# KiCad board Batch 1.kicad_pcb (continued)
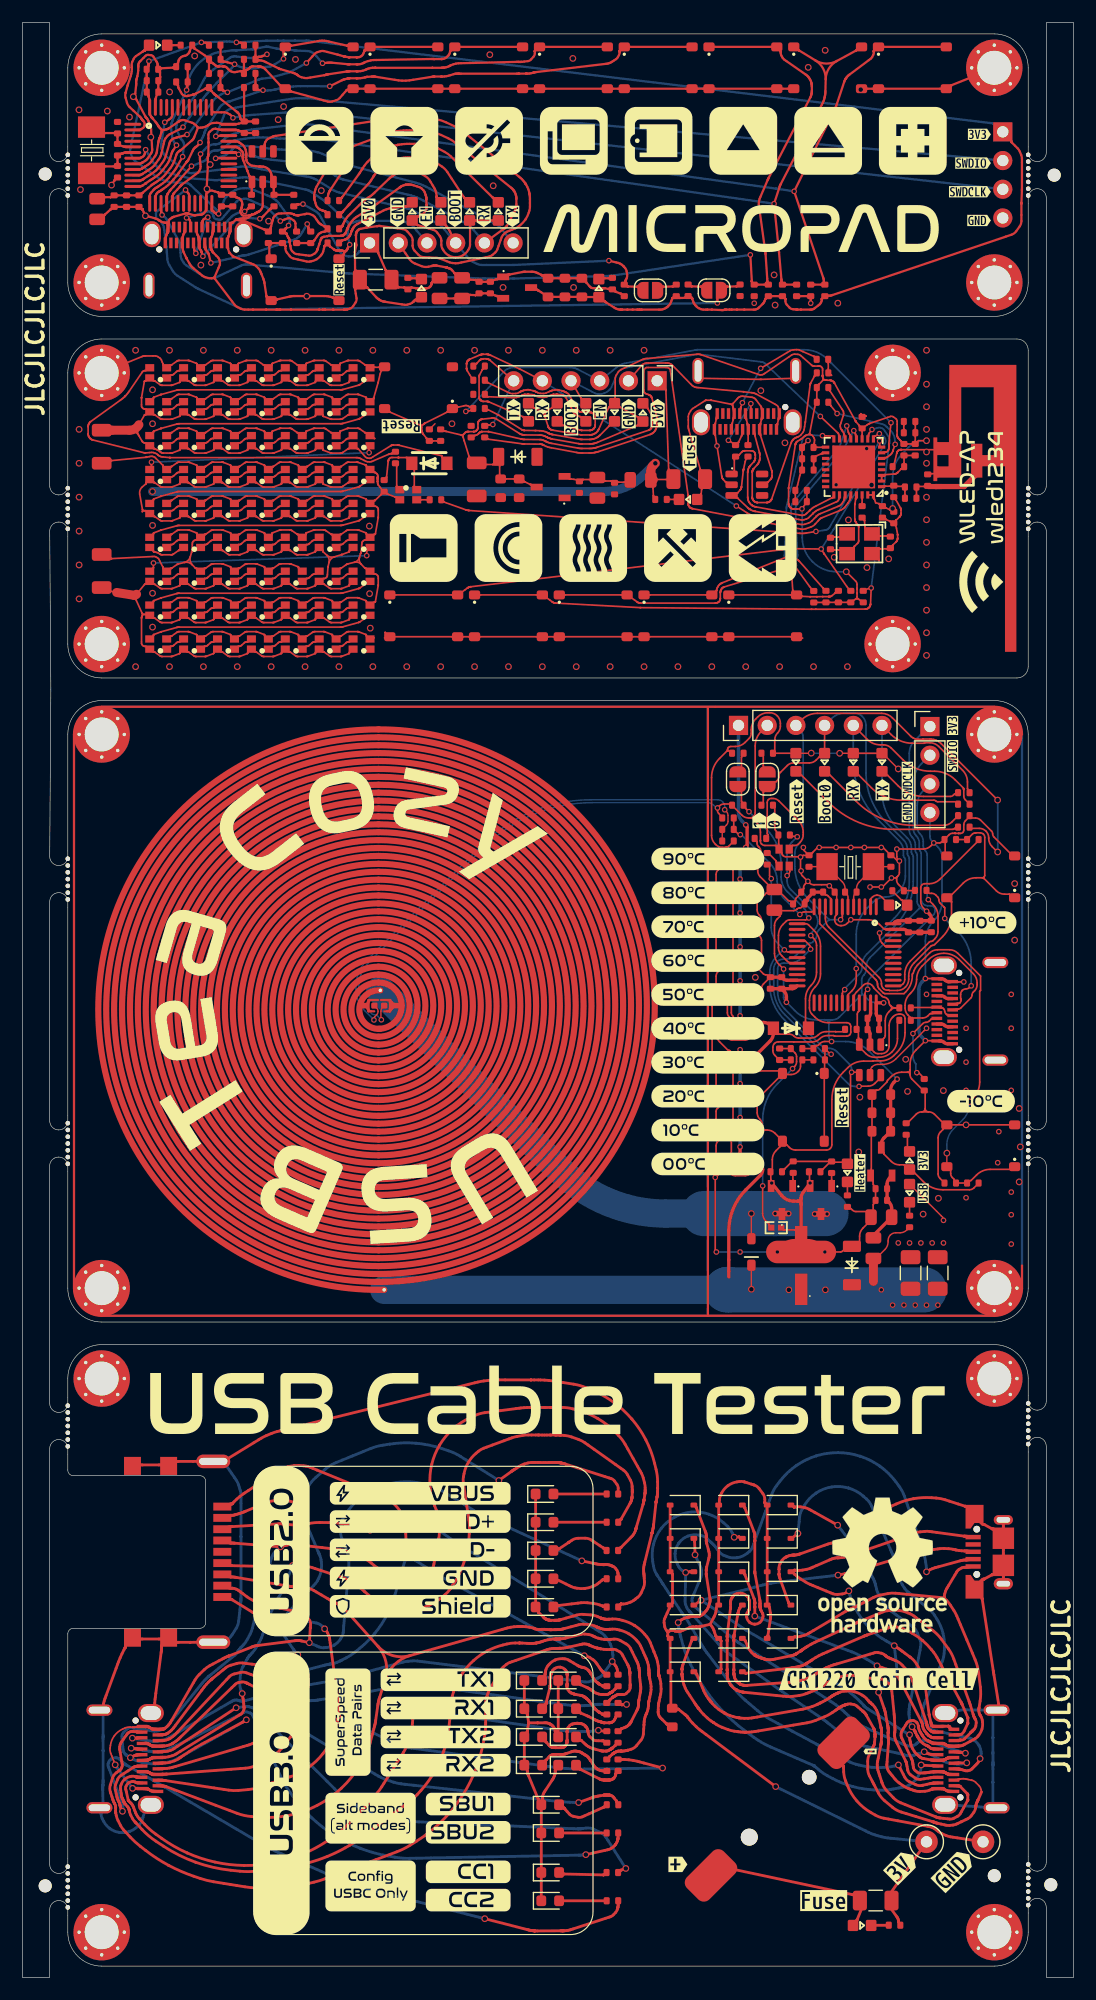
[diagram p0: board, top side]
## Routing (per net, layer and track width the routed paths; a pad name or vN(x,y) marks a point on that pad's centre or on a via; arc(x,y) is an arc through that point) (continued)
/SBU2: length 52
  Top w0.25: v1(49.85,10.86) 51.54,11.24 51.86,11.31 arc(51.96,11.35) 52.05,11.4 52.23,11.51 arc(52.32,11.58) 52.39,11.65 52.45,11.74 arc(52.46,11.74) 52.46,11.74 52.49,11.78 arc(52.52,11.83) 52.55,11.88 52.6,11.98 arc(52.62,12.03) 52.64,12.09 52.66,12.14 arc(52.66,12.14) 52.66,12.14 arc(52.66,12.14) 52.66,12.14 52.67,12.2 52.68,12.21 arc(52.68,12.23) 52.68,12.24 52.69,12.27 arc(52.69,12.29) 52.69,12.31 52.71,12.46 ; J11.B8 10.29,20.23 arc(10.23,20.23) 10.16,20.23 10.09,20.23 arc(10.09,20.23) 10.08,20.23 10.07,20.23 arc(10.06,20.23) 10.06,20.24 9.63,20.28 arc(9.62,20.28) 9.62,20.28 v1(9.61,20.28)
  Bottom w0.25: v1(9.61,20.28) 9.63,20.28 arc(9.65,20.28) 9.66,20.28 9.68,20.28 arc(9.69,20.27) 9.7,20.27 9.96,20.22 arc(10.03,20.2) 10.1,20.19 arc(10.17,20.18) 10.24,20.17 11.44,19.98 arc(11.69,19.96) 11.95,19.98 12.46,20.06 arc(12.71,20.11) 12.95,20.21 13.66,20.55 19.19,23.23 19.21,23.24 arc(19.21,23.24) 19.22,23.24 19.23,23.25 arc(19.24,23.25) 19.24,23.25 arc(19.25,23.26) 19.25,23.26 19.59,23.46 arc(19.73,23.5) 19.87,23.49 20.15,23.4 arc(20.27,23.33) 20.35,23.21 20.54,22.81 22.9,17.65 arc(23.2,17.09) 23.54,16.55 23.92,16.03 arc(24.71,15.04) 25.59,14.12 arc(26.56,13.29) 27.6,12.57 arc(28.71,11.94) 29.88,11.43 arc(31.09,11.03) 32.33,10.75 32.96,10.64 arc(33.59,10.56) 34.22,10.54 36.14,10.57 49.36,10.82 arc(49.43,10.82) 49.5,10.83 49.63,10.84 arc(49.7,10.84) 49.76,10.85 v1(49.85,10.86)
/Sea: length 39.7
  Top w0.15: R48.2 69.89,122.82 arc(69.77,122.95) 69.66,123.09 v2(68.31,124.96) 62.11,123.06 arc(62.11,123.06) 62.1,123.06 arc(62.1,123.06) 62.09,123.06 62.09,123.06 arc(62.08,123.05) 62.08,123.05 62.03,123.03 arc(62.02,123.03) 62.01,123.02 61.98,123.01 arc(61.97,123) 61.96,122.99 61.92,122.95 arc(61.91,122.95) 61.9,122.94 61.89,122.92 arc(61.88,122.91) 61.88,122.9 arc(61.87,122.89) 61.87,122.89 61.84,122.84 arc(61.83,122.83) 61.83,122.83 arc(61.83,122.82) 61.82,122.82 61.82,122.8 arc(61.81,122.8) 61.81,122.79 arc(61.81,122.79) 61.81,122.78 61.78,122.71 arc(61.78,122.71) 61.78,122.7 61.77,122.69 arc(61.77,122.69) 61.77,122.68 arc(61.77,122.68) 61.77,122.67 61.75,122.6 arc(61.75,122.59) 61.75,122.58 61.75,122.57 arc(61.75,122.56) 61.75,122.56 61.75,122.03 arc(61.75,122.02) 61.75,122.01 61.75,121.99 arc(61.74,121.98) 61.74,121.97 arc(61.74,121.97) 61.74,121.96 61.72,121.87 arc(61.71,121.85) 61.69,121.82 61.66,121.78 arc(61.64,121.75) 61.62,121.74 61.55,121.69 arc(61.53,121.68) 61.52,121.67 61.49,121.66 arc(61.47,121.65) 61.46,121.65 61.37,121.63 arc(61.36,121.63) 61.36,121.63 arc(61.35,121.63) 61.34,121.63 61.32,121.62 arc(61.32,121.62) 61.31,121.62 54.69,121.62 arc(54.68,121.62) 54.68,121.63 54.66,121.63 arc(54.65,121.63) 54.64,121.63 54.54,121.65 arc(54.53,121.65) 54.51,121.66 54.48,121.67 arc(54.47,121.68) 54.46,121.69 54.38,121.73 arc(54.38,121.74) 54.37,121.74 arc(54.37,121.75) 54.36,121.75 54.16,121.89 arc(53.96,122.04) 53.76,122.18 53.68,122.23 arc(53.49,122.32) 53.29,122.35 SW12.1 ; v2(73.56,136.89) 73.71,136.6 arc(73.72,136.58) 73.72,136.57 73.73,136.53 arc(73.73,136.51) 73.73,136.5 73.73,136.44 arc(73.74,136.41) 73.74,136.37 U4.12
  Bottom w0.15: v2(68.31,124.96) 68.56,125.71 arc(68.57,125.74) 68.57,125.76 68.58,125.82 arc(68.58,125.84) 68.58,125.87 68.58,125.92 68.4,129.89 68.4,130 arc(68.4,130.05) 68.41,130.1 68.45,130.2 arc(68.47,130.25) 68.5,130.3 68.57,130.38 72.5,135.03 72.53,135.07 arc(72.54,135.08) 72.55,135.1 72.58,135.14 arc(72.59,135.16) 72.61,135.18 72.63,135.22 v2(73.56,136.89)
/SHLD: length 133.2
  Top w0.15: J4.S1 59.78,141.85 arc(59.87,141.62) 60.11,141.52 65.28,141.43 arc(65.31,141.43) 65.33,141.43 arc(65.35,141.43) 65.38,141.43 68.1,141.51 ; 68.1,141.51 arc(68.33,141.62) 68.42,141.85 arc(68.33,141.62) 68.1,141.51 ; J4.S1 68.16,137.97
  Top w0.25: J9.10 10.29,45.35 arc(10.35,45.35) 10.41,45.35 12.24,45.35 arc(12.3,45.35) 12.36,45.35 12.61,45.31 arc(12.91,45.32) 13.19,45.44 13.5,45.63 arc(13.55,45.66) 13.61,45.67 J9.10 17.76,45.67 arc(17.77,45.67) 17.79,45.67 arc(17.8,45.68) 17.81,45.69 17.94,45.77 arc(18.08,45.86) 18.22,45.95 20.45,47.31 21.11,47.72 arc(21.33,47.84) 21.57,47.95 22.04,48.15 arc(22.28,48.24) 22.53,48.31 23.27,48.49 39.49,52.49 40.28,52.69 arc(40.55,52.74) 40.82,52.78 41.36,52.85 arc(41.63,52.87) 41.9,52.88 42.71,52.88 45,52.88 arc(45,52.88) 45,52.88 45.83,52.87 arc(46.01,52.87) 46.19,52.86 46.56,52.83 arc(46.74,52.81) 46.92,52.79 47.47,52.7 48.76,52.5 arc(49.31,52.38) 49.83,52.2 50.35,51.99 arc(51.35,51.51) 52.29,50.91 arc(53.15,50.21) 53.92,49.41 arc(54.59,48.53) 55.16,47.57 arc(55.61,46.56) 55.93,45.5 56.07,44.95 arc(56.17,44.41) 56.2,43.85 56.2,43.3 arc(56.2,43.3) 56.2,43.29 56.2,43.01 arc(56.2,43.01) 56.2,43.01 arc(56.2,43.01) 56.2,43.01 56.2,42.98 arc(56.2,42.94) 56.2,42.91 56.19,42.84 arc(56.19,42.81) 56.18,42.77 56.18,42.74 arc(56.18,42.74) 56.18,42.74 56.16,42.55 arc(56.16,42.55) 56.16,42.55 56.15,42.51 arc(56.14,42.47) 56.13,42.43 56.08,42.13 56.07,42.08 arc(56.06,42.07) 56.06,42.06 56.06,42.04 arc(56.06,42.03) 56.06,42.02 arc(56.06,42.01) 56.06,42.01 55.85,40.09 55.84,39.98 arc(55.83,39.94) 55.83,39.91 55.82,39.84 arc(55.81,39.8) 55.8,39.76 55.76,39.55 arc(55.75,39.51) 55.74,39.47 55.74,39.46 arc(55.73,39.43) 55.73,39.41 55.72,39.39 arc(55.72,39.38) 55.72,39.37 arc(55.71,39.36) 55.71,39.35 55.71,39.34 arc(55.71,39.33) 55.71,39.33 arc(55.71,39.33) 55.71,39.33 55.7,39.32 arc(55.7,39.32) 55.7,39.32 arc(55.7,39.32) 55.7,39.32 55.07,36.74 55,36.49 arc(54.98,36.4) 54.97,36.31 54.96,36.13 arc(54.96,36.05) 54.96,35.96 54.99,35.7 arc(54.99,35.67) 55,35.63 arc(55,35.6) 55,35.56 55.04,34.97 arc(55.02,34.73) 54.95,34.49 54.74,34.02 arc(54.61,33.81) 54.44,33.64 54.24,33.49 arc(54.23,33.48) 54.23,33.47 arc(54.22,33.47) 54.21,33.46 54.09,33.37 arc(53.95,33.27) 53.79,33.21 53.47,33.1 arc(53.31,33.06) 53.15,33.04 52.97,33.04 arc(52.97,33.04) 52.97,33.04 52.96,33.04 arc(52.96,33.04) 52.96,33.04 52.96,33.04 arc(52.96,33.04) 52.96,33.04 52.96,33.04 ; J11.S1 6.95,23.65 arc(7.04,23.69) 7.09,23.78 7.12,24.02 arc(7.14,24.13) 7.16,24.23 7.22,24.44 arc(7.25,24.55) 7.28,24.65 7.39,24.95 8.27,27.35 8.48,27.91 arc(8.55,28.1) 8.63,28.28 8.8,28.65 arc(8.88,28.83) 8.98,29.01 9.09,29.21 arc(9.09,29.22) 9.09,29.23 9.1,29.24 arc(9.1,29.25) 9.1,29.26 9.1,29.33 arc(9.11,29.39) 9.14,29.44 9.51,29.83 arc(9.75,29.99) 10.04,30.01 10.29,29.96 arc(10.35,29.95) 10.41,29.95 12.24,29.95 arc(12.3,29.95) 12.36,29.96 12.61,30.01 ; 13.19,29.89 13.5,29.69 arc(13.55,29.66) 13.61,29.65 14.81,29.65 arc(14.82,29.65) 14.83,29.65 arc(14.84,29.65) 14.84,29.65 15.52,29.66 arc(15.97,29.67) 16.42,29.67 J9.10 ; 13.19,29.89 arc(12.94,29.95) 12.71,29.83 ; 13.19,29.89 arc(12.91,30.01) 12.61,30.01 ; 12.61,30.01 arc(12.72,29.96) 12.71,29.83 ; 12.71,29.83 12.34,29.44 arc(12.31,29.39) 12.3,29.33 12.3,29.21 arc(12.3,29.16) 12.3,29.11 12.29,29 arc(12.29,28.94) 12.28,28.89 12.26,28.73 11.79,25.14 11.72,24.62 arc(11.7,24.45) 11.69,24.28 11.68,23.93 arc(11.68,23.76) 11.69,23.59 11.7,23.43 arc(11.7,23.41) 11.7,23.4 arc(11.7,23.4) 11.69,23.39 J11.S1
  Bottom w0.15: J4.S1 59.78,141.53 ; 60.04,137.97 J4.S1
  Bottom w0.25: J9.10 17.77,29.67 arc(17.77,29.67) 17.78,29.67 arc(17.78,29.67) 17.78,29.67 18.07,29.85 arc(18.33,30.06) 18.54,30.32 18.9,30.9 arc(19.05,31.2) 19.12,31.53 19.24,32.55 19.31,33.24 arc(19.32,33.28) 19.32,33.33 19.32,33.41 arc(19.32,33.45) 19.33,33.5 19.33,36.45 19.33,39.01 19.33,42.67 arc(19.31,42.9) 19.26,43.13 19.12,43.58 arc(19.03,43.8) 18.91,44 18.51,44.59 18.03,45.3 arc(17.72,45.57) 17.32,45.67 J9.10 ; J11.S1 11.18,15.27 arc(11.03,15.23) 10.95,15.11 10.58,13.92 arc(10.49,13.72) 10.35,13.54 10.19,13.38 arc(9.84,13.1) 9.44,12.91 9.44,12.91 arc(9,12.82) 8.55,12.83 arc(8.12,12.95) 7.73,13.17 arc(7.4,13.47) 7.15,13.84 7.05,14.04 arc(6.97,14.25) 6.95,14.47 6.95,14.94 arc(6.93,14.99) 6.87,15.01 6.96,15.01 arc(7.08,15.06) 7.12,15.18 7.09,16.6 7.09,16.72 arc(7.09,16.76) 7.09,16.8 7.09,16.88 arc(7.1,16.92) 7.1,16.96 7.11,17.08 arc(7.12,17.12) 7.12,17.16 7.12,17.24 arc(7.12,17.28) 7.13,17.32 7.13,20.07 arc(7.12,20.08) 7.12,20.09 7.12,21.12 arc(7.12,21.17) 7.12,21.22 7.12,21.25 arc(7.12,21.27) 7.12,21.28 arc(7.12,21.3) 7.12,21.31 7.12,21.35 arc(7.12,21.4) 7.13,21.46 7.13,23.49 arc(7.08,23.61) 6.96,23.65 J11.S1
/SWDCLK: length 91.8
  Top w0.15: U6.37 77.51,87.75 arc(77.73,87.79) 77.91,87.92 arc(78.03,88.1) 78.07,88.31 78.07,88.77 arc(78.2,89.4) 78.56,89.94 80.24,91.62 arc(80.32,91.67) 80.41,91.69 arc(80.5,91.7) 80.58,91.76 80.76,91.94 arc(80.95,92.22) 81.02,92.56 81.02,93.92 arc(80.9,94.48) 80.59,94.95 v2(80.16,95.38)
  Top w0.2: U2.37 16.75,165.28 arc(16.81,165.12) 16.97,165.06 17.86,165.06 arc(17.99,165.04) 18.11,164.99 18.35,164.87 arc(18.46,164.79) 18.54,164.69 v2(18.62,164.57)
  Bottom w0.15: v2(80.16,95.38) 80.11,95.43 arc(80.07,95.49) 80.06,95.55 80.06,99.31 arc(80.01,99.54) 79.88,99.73 arc(79.75,99.93) 79.71,100.15 79.71,100.54 arc(79.64,100.89) 79.44,101.18 arc(79.24,101.48) 79.17,101.83 79.17,103.7 arc(79.32,104.43) 79.74,105.06 J7.3
  Bottom w0.2: J3.3 26.98,164.91 arc(26.91,164.92) 26.84,164.93 arc(26.77,164.94) 26.71,164.95 25.88,165.09 arc(25.58,165.13) 25.27,165.15 24.65,165.16 arc(24.34,165.15) 24.04,165.12 23.73,165.08 arc(23.72,165.08) 23.72,165.08 23.57,165.06 arc(23.43,165.05) 23.28,165.04 20.48,164.84 20.22,164.82 arc(20.09,164.81) 19.96,164.8 19.7,164.76 arc(19.57,164.75) 19.44,164.72 v2(18.62,164.57)
/SWDIO: length 98.6
  Top w0.15: U6.34 74.55,87.04 arc(74.58,87.19) 74.67,87.32 v2(74.79,87.44)
  Top w0.2: v2(17.1,162.93) 17.51,162.99 arc(17.53,162.99) 17.55,163 17.58,163 arc(17.6,163) 17.62,163 U2.34
  Bottom w0.15: J7.2 79.56,107.42 arc(79.02,106.61) 78.83,105.64 78.83,101.68 arc(78.89,101.33) 79.09,101.04 arc(79.29,100.74) 79.36,100.39 79.36,99.88 arc(79.38,99.77) 79.44,99.68 arc(79.5,99.59) 79.53,99.48 79.53,95.43 arc(79.57,95.2) 79.7,95.01 arc(79.89,94.88) 80.12,94.84 80.37,94.84 arc(80.52,94.81) 80.65,94.72 arc(80.74,94.59) 80.77,94.44 80.77,94.41 arc(80.73,94.22) 80.62,94.06 75.06,88.5 arc(74.86,88.2) 74.79,87.83 v2(74.79,87.44)
  Bottom w0.2: J3.2 27.08,166.06 27.06,166.07 arc(27.04,166.07) 27.03,166.07 27.01,166.07 arc(27,166.07) 26.98,166.07 25.98,166.24 arc(25.61,166.29) 25.24,166.3 24.49,166.31 arc(24.12,166.29) 23.75,166.25 23.01,166.14 19.57,165.6 19.33,165.56 arc(19.21,165.54) 19.1,165.52 18.86,165.47 arc(18.75,165.45) 18.63,165.42 18.5,165.39 arc(18.49,165.39) 18.48,165.38 18.45,165.38 arc(18.45,165.37) 18.45,165.37 arc(18.44,165.37) 18.44,165.37 18.34,165.35 arc(18.25,165.32) 18.16,165.26 18.01,165.13 arc(17.94,165.05) 17.89,164.97 17.82,164.77 v2(17.1,162.93)
/Temp_Coil: length 11.6
  Top w0.15: U6.12 70.05,94.52 arc(69.98,94.36) 69.82,94.29 69.17,94.29 arc(69.02,94.26) 68.9,94.18 v2(68.79,94.07) ; 62.94,102.29 62.94,101.92 ; 63.19,101.34 63.35,101.18 arc(63.4,101.14) 63.46,101.13 v2(63.52,101.13)
  Bottom w0.15: v2(63.52,101.13) 63.57,101.13 arc(63.61,101.12) 63.64,101.1 66.12,98.63 arc(66.61,97.89) 66.78,97.02 arc(66.96,96.15) 67.45,95.41 v2(68.79,94.07)
/Temp_Mosfet: length 22.9
  Top w0.15: 66.74,81.44 66.57,81.6 arc(66.45,81.79) 66.4,82.01 66.4,82.32 arc(66.44,82.5) 66.55,82.65 arc(66.7,82.76) 66.88,82.8 68.23,82.8 arc(68.24,82.79) 68.24,82.79 arc(68.25,82.79) 68.25,82.79 69.87,82.79 arc(70.24,82.86) 70.55,83.07 arc(70.86,83.28) 71.23,83.35 71.78,83.35 arc(71.81,83.35) 71.84,83.33 arc(71.86,83.31) 71.89,83.3 72.94,83.3 arc(73.08,83.33) 73.2,83.41 arc(73.27,83.53) 73.3,83.66 73.3,84.15 arc(73.27,84.28) 73.2,84.39 arc(73.09,84.46) 72.96,84.49 71.3,84.49 arc(70.67,84.62) 70.13,84.98 69.88,85.23 arc(69.7,85.49) 69.64,85.8 69.64,86.46 arc(69.77,87.1) 70.13,87.64 arc(70.49,88.18) 70.62,88.82 70.62,91.26 arc(70.47,92.02) 70.04,92.67 69.56,93.15 arc(69.44,93.22) 69.31,93.25 U6.13 ; 67.72,81.2 67.32,81.2
/TX1+: length 72.9
  Top w0.25: 51.41,27 51.36,27.04 arc(51.33,27.07) 51.3,27.09 51.25,27.16 arc(51.22,27.19) 51.2,27.22 50.74,27.87 arc(50.63,28) 50.5,28.11 50.21,28.3 arc(50.06,28.38) 49.9,28.43 v1(49.71,28.47) ; J11.A2 12.26,21.48 arc(12.33,21.48) 12.39,21.48 12.49,21.48 arc(12.54,21.49) 12.58,21.49 12.66,21.52 arc(12.7,21.53) 12.73,21.55 12.87,21.63 arc(12.96,21.69) 13.04,21.75 13.19,21.89 arc(13.26,21.96) 13.33,22.04 13.52,22.29 16.09,25.73 arc(16.17,25.84) 16.26,25.93 16.44,26.12 arc(16.53,26.21) 16.62,26.3 16.72,26.39 arc(16.73,26.39) 16.73,26.39 16.77,26.42 arc(16.81,26.46) 16.85,26.49 17.32,26.87 17.96,27.39 arc(18.19,27.53) 18.44,27.63 18.96,27.78 arc(19.23,27.83) 19.5,27.82 20.31,27.72 v1(20.97,27.64) ; v1(33.98,37.38) 33.88,39.92 arc(33.86,40.13) 33.81,40.34 33.74,40.55 arc(33.58,40.95) 33.36,41.33 arc(33.1,41.67) 32.79,41.97 32.62,42.11 arc(32.44,42.24) 32.25,42.35 32.04,42.45 arc(32.02,42.45) 32,42.46 31.79,42.55 arc(31.55,42.65) 31.32,42.75 26.06,44.9 25.48,45.14 arc(25.28,45.2) 25.08,45.25 24.87,45.28 arc(24.45,45.31) 24.04,45.3 arc(23.63,45.23) 23.23,45.11 23.03,45.04 arc(22.84,44.96) 22.66,44.86 22.14,44.51 19.96,43.08 19.52,42.78 arc(19.37,42.68) 19.23,42.56 18.96,42.33 arc(18.83,42.21) 18.7,42.08 18.56,41.92 arc(18.55,41.91) 18.54,41.91 18.51,41.9 arc(18.5,41.89) 18.49,41.89 18.41,41.89 arc(18.35,41.89) 18.29,41.87 17.68,41.67
  Bottom w0.25: v1(49.71,28.47) 37.59,35.16 arc(37.36,35.29) 37.12,35.43 arc(36.89,35.57) 36.66,35.71 v1(33.98,37.38) 33.21,34.74 32.81,33.35 arc(32.65,32.9) 32.45,32.46 32.23,32.04 arc(31.74,31.22) 31.17,30.45 arc(30.52,29.74) 29.81,29.1 29.43,28.8 arc(29.04,28.52) 28.63,28.28 28.06,27.98 arc(27.95,27.93) 27.83,27.89 27.58,27.81 arc(27.46,27.77) 27.34,27.75 27.14,27.72 arc(27.08,27.71) 27.02,27.7 26.91,27.67 arc(26.86,27.66) 26.8,27.65 26.63,27.61 25.01,27.19 24.58,27.08 arc(24.44,27.06) 24.29,27.06 24,27.11 arc(23.85,27.14) 23.72,27.2 23.12,27.56 arc(23.03,27.61) 22.93,27.64 22.72,27.7 arc(22.62,27.72) 22.51,27.72 21.52,27.7 arc(21.44,27.7) 21.36,27.69 21.21,27.67 arc(21.13,27.67) 21.06,27.65 v1(20.97,27.64)
/TX1-: length 84.8
  Top w0.25: v1(30.75,39.58) 28.34,40.13 arc(27.84,40.22) 27.33,40.25 26.31,40.26 arc(25.8,40.24) 25.3,40.16 24.72,40.04 24.69,40.03 arc(24.62,40.02) 24.54,40.01 24.4,40.01 arc(24.32,40) 24.25,40.01 24.03,40.03 23.04,40.14 22.99,40.14 arc(22.95,40.15) 22.91,40.15 22.83,40.15 arc(22.78,40.15) 22.74,40.15 22.62,40.14 18.56,39.9 arc(18.53,39.89) 18.5,39.89 arc(18.47,39.89) 18.45,39.89 18.41,39.89 arc(18.35,39.89) 18.29,39.87 17.68,39.67 ; 52.64,27.06 52.64,27.13 arc(52.64,27.21) 52.62,27.27 52.57,27.41 arc(52.55,27.48) 52.51,27.54 52.38,27.71 v1(52.19,27.96) ; J11.A3 12.26,20.98 arc(12.33,20.98) 12.39,20.98 12.53,20.98 arc(12.6,20.99) 12.68,21 12.82,21.04 arc(12.89,21.07) 12.96,21.1 13.02,21.14 arc(13.03,21.14) 13.03,21.14 13.12,21.19 arc(13.19,21.24) 13.27,21.3 13.41,21.41 arc(13.48,21.47) 13.54,21.54 13.73,21.74 17.7,25.98 18.27,26.59 arc(18.48,26.76) 18.73,26.86 19.28,26.99 arc(19.54,27.01) 19.81,26.95 20.63,26.65 arc(20.64,26.65) 20.66,26.65 20.68,26.64 arc(20.7,26.63) 20.71,26.63 20.75,26.62 v1(22.44,26.21)
  Bottom w0.25: v1(22.44,26.21) 22.44,26.21 arc(22.45,26.21) 22.46,26.2 22.52,26.18 arc(22.53,26.18) 22.55,26.17 arc(22.56,26.17) 22.57,26.17 22.67,26.14 arc(22.78,26.1) 22.9,26.07 23.74,25.83 arc(23.9,25.79) 24.05,25.78 24.37,25.76 arc(24.52,25.76) 24.68,25.78 25.14,25.86 27.33,26.24 arc(27.36,26.24) 27.39,26.25 27.41,26.25 arc(27.42,26.25) 27.43,26.25 27.5,26.27 arc(27.56,26.28) 27.63,26.29 27.75,26.32 arc(27.81,26.33) 27.88,26.35 28.06,26.4 33.1,27.75 33.7,27.91 arc(33.9,27.96) 34.11,27.98 34.53,28.01 arc(34.73,28.01) 34.94,28 35.56,27.92 48.81,26.27 49.74,26.15 arc(50.04,26.15) 50.33,26.24 50.91,26.48 arc(51.17,26.64) 51.38,26.86 51.93,27.62 v1(52.19,27.96) 52.23,28.17 arc(52.25,28.36) 52.24,28.55 52.22,28.74 arc(52.15,29.11) 52.03,29.48 arc(51.85,29.81) 51.62,30.12 51.5,30.27 arc(51.36,30.4) 51.21,30.51 50.71,30.82 38.81,38.2 arc(38.64,38.31) 38.47,38.41 arc(38.3,38.53) 38.14,38.64 36.34,39.91 35.77,40.32 arc(35.57,40.44) 35.35,40.53 35.13,40.61 arc(34.68,40.74) 34.22,40.8 arc(33.76,40.8) 33.3,40.74 33.07,40.69 arc(32.84,40.63) 32.63,40.54 32,40.22 v1(30.75,39.58)
/TX2+: length 54.4
  Top w0.25: v1(50.96,21.87) 51.38,21.79 ; J11.B2 10.29,17.23 arc(10.23,17.23) 10.16,17.23 10.09,17.23 arc(10.08,17.23) 10.08,17.24 10.06,17.24 arc(10.05,17.24) 10.05,17.25 10.04,17.25 arc(10.04,17.25) 10.04,17.25 9.96,17.3 arc(9.88,17.33) 9.79,17.34 9.7,17.33 arc(9.53,17.3) 9.37,17.22 arc(9.25,17.1) 9.17,16.94 9.14,16.86 arc(9.12,16.77) 9.12,16.69 9.35,15.68 arc(9.35,15.67) 9.36,15.66 9.37,15.65 arc(9.37,15.64) 9.38,15.63 arc(9.38,15.63) 9.39,15.62 9.61,15.4 arc(9.65,15.36) 9.68,15.31 9.74,15.22 arc(9.77,15.18) 9.79,15.13 10.02,14.53 arc(10.05,14.45) 10.1,14.37 10.19,14.22 arc(10.24,14.15) 10.3,14.09 10.35,14.03 arc(10.36,14.02) 10.36,14.02 arc(10.37,14.01) 10.37,14.01 10.81,13.53 arc(11.27,13.08) 11.78,12.68 12.31,12.3 arc(13.41,11.6) 14.56,11.02 arc(15.77,10.55) 17.03,10.21 arc(18.31,9.99) 19.6,9.91 arc(20.9,9.95) 22.18,10.13 arc(23.45,10.43) 24.67,10.86 arc(25.85,11.41) 26.96,12.07 27.5,12.43 arc(28.02,12.82) 28.5,13.26 30.56,15.33 arc(30.78,15.57) 31,15.83 31.41,16.34 arc(31.6,16.61) 31.79,16.88 32.32,17.71 33.71,19.92 arc(33.9,20.26) 34.05,20.62 34.3,21.37 arc(34.41,21.74) 34.47,22.13 v1(34.61,23.72)
  Bottom w0.25: v1(50.96,21.87) 50.8,21.84 arc(50.67,21.82) 50.53,21.8 50.26,21.78 arc(50.12,21.77) 49.99,21.76 49.77,21.76 49.51,21.75 arc(49.2,21.75) 48.89,21.76 48.28,21.8 arc(47.97,21.82) 47.67,21.86 46.75,21.99 v1(34.61,23.72)
/TX2-: length 69.8
  Top w0.25: J11.B3 10.29,17.73 arc(10.23,17.73) 10.16,17.73 10.1,17.73 arc(10.09,17.73) 10.09,17.73 10.08,17.74 arc(10.07,17.74) 10.07,17.74 arc(10.06,17.74) 10.06,17.74 arc(10.05,17.74) 10.05,17.74 9.92,17.78 arc(9.79,17.81) 9.66,17.8 9.52,17.77 arc(9.27,17.69) 9.05,17.54 arc(8.86,17.34) 8.74,17.11 8.69,16.98 arc(8.66,16.85) 8.66,16.72 8.76,16.03 arc(8.77,16) 8.78,15.97 8.8,15.9 arc(8.81,15.87) 8.83,15.84 8.84,15.82 arc(8.84,15.81) 8.85,15.8 8.87,15.77 arc(8.88,15.74) 8.9,15.71 8.93,15.64 arc(8.94,15.61) 8.95,15.58 8.97,15.51 arc(8.98,15.49) 8.99,15.47 9.01,15.43 arc(9.03,15.42) 9.04,15.4 9.06,15.37 arc(9.07,15.36) 9.08,15.35 arc(9.08,15.34) 9.09,15.33 9.32,15.07 arc(9.34,15.04) 9.36,15.01 9.4,14.94 arc(9.41,14.9) 9.42,14.86 9.47,14.65 arc(9.51,14.5) 9.57,14.35 9.72,14.07 arc(9.8,13.94) 9.9,13.82 10.04,13.66 10.57,13.09 arc(11.15,12.54) 11.79,12.06 12.46,11.62 arc(13.85,10.82) 15.32,10.19 arc(16.85,9.74) 18.43,9.48 19.23,9.4 arc(20.03,9.36) 20.83,9.42 22.78,9.69 24.02,9.86 arc(24.45,9.93) 24.87,10.03 25.3,10.14 arc(26.14,10.4) 26.96,10.7 arc(27.76,11.06) 28.54,11.46 28.92,11.68 arc(29.3,11.9) 29.66,12.15 30.72,12.94 32.96,14.6 34.18,15.5 arc(34.57,15.82) 34.92,16.17 35.26,16.55 arc(35.89,17.33) 36.44,18.18 arc(36.9,19.07) 37.27,20.01 37.43,20.49 arc(37.56,20.97) 37.65,21.47 37.81,22.85 37.86,23.23 arc(37.87,23.34) 37.88,23.44 arc(37.89,23.54) 37.89,23.65 37.89,23.68 arc(37.9,23.81) 37.91,23.95 37.93,24.12 arc(37.93,24.14) 37.93,24.16 37.97,24.55 arc(38.03,24.92) 38.14,25.27 38.27,25.62 arc(38.57,26.3) 38.94,26.93 arc(39.39,27.52) 39.91,28.04 arc(40.49,28.5) 41.12,28.89 arc(41.8,29.19) 42.5,29.42 42.86,29.51 arc(43.23,29.57) 43.59,29.6 43.97,29.6 arc(43.97,29.6) 43.97,29.6 44.05,29.59 arc(44.13,29.59) 44.21,29.59 44.89,29.55 arc(44.97,29.55) 45.05,29.55 45.21,29.56 arc(45.29,29.57) 45.37,29.58 45.45,29.59 arc(45.45,29.59) 45.45,29.59 arc(45.46,29.59) 45.46,29.59 45.51,29.6 arc(45.57,29.61) 45.63,29.63 45.74,29.65 arc(45.8,29.67) 45.85,29.69 46.24,29.82 arc(46.37,29.85) 46.49,29.88 46.75,29.92 arc(46.88,29.94) 47.01,29.95 47.18,29.95 arc(47.18,29.95) 47.18,29.95 47.19,29.95 arc(47.2,29.95) 47.21,29.95 47.23,29.95 arc(47.25,29.95) 47.27,29.95 47.29,29.95 arc(47.29,29.95) 47.29,29.95 47.34,29.95 arc(47.37,29.95) 47.41,29.95 47.44,29.95 arc(47.46,29.95) 47.47,29.95 arc(47.48,29.95) 47.5,29.95 47.53,29.96 arc(47.53,29.96) 47.53,29.96 47.56,29.96 arc(47.56,29.96) 47.57,29.96 47.63,29.96 arc(47.69,29.97) 47.76,29.97 47.88,29.99 arc(47.94,30) 48,30.02 48.18,30.06 48.93,30.24 49.42,30.36 arc(49.58,30.39) 49.75,30.39 50.08,30.35 arc(50.25,30.32) 50.4,30.26 50.69,30.11 arc(50.81,30.06) 50.94,30.02 51.2,29.96 arc(51.33,29.93) 51.46,29.92 51.76,29.91 arc(51.8,29.91) 51.84,29.91 51.91,29.91 arc(51.95,29.91) 51.98,29.91 52.01,29.91 arc(52.02,29.92) 52.03,29.92 arc(52.04,29.92) 52.05,29.92 52.34,29.94 arc(52.63,29.92) 52.9,29.81 53.42,29.51 arc(53.65,29.33) 53.81,29.09 54.29,28.13 54.4,27.89 arc(54.44,27.81) 54.47,27.73 54.52,27.56 arc(54.54,27.47) 54.55,27.38 54.58,27.18 arc(54.58,27.13) 54.59,27.08 54.59,27.05 arc(54.59,27.04) 54.59,27.02 arc(54.59,27.01) 54.59,27 54.59,26.93 arc(54.59,26.92) 54.59,26.91 arc(54.59,26.9) 54.59,26.9 54.59,26.87 arc(54.59,26.83) 54.59,26.8 54.6,26.73 arc(54.6,26.69) 54.6,26.66 54.71,25.74 arc(54.71,25.68) 54.71,25.62 54.71,25.5 arc(54.7,25.44) 54.7,25.38 54.54,24.51 arc(54.54,24.48) 54.53,24.44 54.52,24.38 arc(54.52,24.34) 54.52,24.31 54.51,24.23 arc(54.51,24.2) 54.51,24.16 54.51,24.13 arc(54.51,24.13) 54.51,24.12 arc(54.51,24.11) 54.51,24.11 54.5,24.06 arc(54.5,24) 54.49,23.94 54.46,23.83 arc(54.44,23.78) 54.42,23.73 54.34,23.57 53.84,22.6 arc(53.83,22.58) 53.81,22.56 53.78,22.51 arc(53.77,22.49) 53.75,22.47 53.67,22.36 arc(53.62,22.32) 53.58,22.28 53.48,22.21 arc(53.43,22.18) 53.38,22.15 53.01,22 arc(53,22) 53,22 53,22 arc(53,22) 53,22 53,22
/Up: length 32.6
  Top w0.15: 82.26,95.86 83.26,96.85 arc(83.77,97.19) 84.37,97.31 84.94,97.31 ; 83.84,100.96 84.08,101.2 arc(84.15,101.25) 84.24,101.27 84.32,101.27 arc(84.33,101.27) 84.35,101.28 arc(84.36,101.29) 84.38,101.3 84.74,101.3 arc(84.9,101.26) 85.04,101.18 arc(85.12,101.04) 85.16,100.88 85.16,97.53 arc(85.14,97.45) 85.09,97.38 ; 87.34,95.86 87.33,95.86 arc(87.33,95.86) 87.33,95.87 86.9,95.87 arc(86.51,95.94) 86.18,96.17 85.09,97.25 ; 84.94,97.31 arc(85.02,97.3) 85.09,97.25 ; 84.94,97.31 arc(85.02,97.33) 85.09,97.38 ; 83.32,100.7 82.88,100.7 ; 82.21,95.19 82.21,95.18 arc(82.21,95.18) 82.22,95.18 82.22,94.01 arc(82.01,92.98) 81.43,92.12 80.72,91.41 arc(80.64,91.35) 80.55,91.34 arc(80.46,91.32) 80.38,91.27 78.91,89.79 arc(78.55,89.26) 78.42,88.62 78.42,88.35 arc(78.35,87.96) 78.13,87.64 arc(77.8,87.42) 77.42,87.34 76.72,87.34 arc(76.7,87.34) 76.68,87.36 arc(76.66,87.37) 76.64,87.37 76.5,87.37 arc(76.34,87.4) 76.21,87.49 76.17,87.53 arc(76.05,87.7) 76.01,87.91 76.01,87.99 arc(75.96,88.26) 75.8,88.5 71.36,92.93 arc(71.13,93.28) 71.05,93.69 U6.10 ; 85.09,97.25 arc(85.07,97.31) 85.09,97.38
/USB_GND: length 80.8
  Top w0.15: 10.4,22.2 10.21,22.19 arc(10.18,22.18) 10.14,22.18 10.1,22.18 arc(10.1,22.18) 10.1,22.18 arc(10.1,22.18) 10.1,22.18 10.1,22.17 arc(10.09,22.17) 10.09,22.16 10.07,22.15 arc(10.07,22.15) 10.06,22.15 9.89,22.13 arc(9.88,22.13) 9.88,22.13 arc(9.88,22.13) 9.87,22.13 9.78,22.13 arc(9.78,22.13) 9.78,22.13 arc(9.78,22.13) 9.77,22.13 9.77,22.13 arc(9.76,22.13) 9.75,22.13 9.52,22.15 arc(9.29,22.14) 9.06,22.07 8.84,21.97 arc(8.45,21.73) 8.12,21.39 arc(7.89,20.98) 7.77,20.53 7.74,20.29 arc(7.74,20.06) 7.8,19.83 8.06,19.16 v1(8.2,18.82)
  Top w0.25: v1(9.73,16.73) 10.16,16.73 arc(10.23,16.73) 10.29,16.73 10.4,16.72 arc(10.58,16.71) 10.75,16.7 10.86,16.69 arc(10.93,16.68) 10.99,16.68 11.06,16.68 arc(11.07,16.68) 11.08,16.68 11.09,16.68 arc(11.1,16.67) 11.11,16.67 11.35,16.52 arc(11.37,16.51) 11.39,16.5 11.43,16.49 arc(11.46,16.48) 11.48,16.48 11.56,16.48 arc(11.63,16.48) 11.69,16.48 J11.A12 ; v1(49.49,36.86) 50.77,36.59 arc(50.82,36.58) 50.88,36.57 51.01,36.56 arc(51.07,36.55) 51.13,36.54 51.35,36.53 arc(51.37,36.53) 51.38,36.53 51.41,36.53 arc(51.42,36.53) 51.44,36.53 51.44,36.53 arc(51.45,36.53) 51.46,36.53 51.47,36.53 arc(51.48,36.53) 51.48,36.53 arc(51.49,36.53) 51.5,36.53 51.5,36.53 arc(51.51,36.53) 51.52,36.53 51.53,36.53 arc(51.56,36.53) 51.58,36.53 51.74,36.53 arc(51.79,36.53) 51.83,36.52 51.93,36.5 arc(51.97,36.49) 52.02,36.47 52.28,36.36 arc(52.38,36.3) 52.45,36.23 52.59,36.04 arc(52.65,35.95) 52.68,35.84 52.71,35.6 ; 17.68,34.67 18.29,34.46 arc(18.35,34.45) 18.41,34.44 18.57,34.44 arc(18.66,34.43) 18.74,34.41 18.92,34.36 arc(19,34.32) 19.08,34.27 19.86,33.68 arc(20.11,33.52) 20.36,33.39 20.89,33.15 arc(21.16,33.04) 21.44,32.97 22.29,32.79 24.7,32.28 arc(24.91,32.19) 25.08,32.03 25.37,31.64 arc(25.47,31.43) 25.49,31.2 25.47,30.96 25.46,30.95 arc(25.46,30.93) 25.46,30.91 v1(25.38,29.62) 24.57,29.8 arc(24.52,29.81) 24.47,29.81 24.36,29.82 arc(24.3,29.82) 24.25,29.81 24.09,29.79 20.86,29.38 20.7,29.36 arc(20.65,29.35) 20.59,29.34 20.49,29.31 arc(20.44,29.3) 20.39,29.28 20.24,29.22 18.27,28.45 arc(18.25,28.44) 18.24,28.44 arc(18.23,28.44) 18.22,28.43 18.15,28.41 arc(18.09,28.38) 18.04,28.36 17.93,28.31 arc(17.88,28.29) 17.83,28.26 17.38,28.02 16.56,27.59 arc(16.31,27.42) 16.07,27.23 15.63,26.8 arc(15.43,26.58) 15.26,26.32 14.8,25.53 13.05,22.5 arc(12.99,22.41) 12.92,22.33 12.78,22.19 arc(12.7,22.12) 12.61,22.06 12.52,22 arc(12.51,22) 12.51,22 12.51,22 arc(12.5,21.99) 12.49,21.99 12.48,21.99 arc(12.47,21.98) 12.46,21.98 12.39,21.98 arc(12.33,21.98) 12.26,21.98 12.15,21.97 arc(11.98,21.96) 11.8,21.97 11.69,21.98 arc(11.63,21.98) 11.56,21.98 11.51,21.98 arc(11.5,21.98) 11.49,21.98 arc(11.48,21.98) 11.47,21.99 11.46,21.99 arc(11.45,21.99) 11.44,22 11.2,22.15 arc(11.18,22.16) 11.16,22.16 11.12,22.18 arc(11.1,22.18) 11.07,22.18 10.99,22.18 arc(10.93,22.18) 10.86,22.19 10.75,22.2 arc(10.58,22.2) 10.4,22.2
  Bottom w0.25: v1(9.73,16.73) 8.33,18.58 arc(8.31,18.61) 8.29,18.64 8.25,18.71 arc(8.23,18.74) 8.22,18.77 8.2,18.8 arc(8.2,18.81) 8.2,18.81 v1(8.2,18.82) ; v1(49.49,36.86) 40.83,40.82 40.68,40.88 arc(40.63,40.91) 40.59,40.93 40.49,40.98 arc(40.45,41.01) 40.4,41.04 40.26,41.12 38.09,42.46 37.03,43.11 arc(36.67,43.31) 36.29,43.45 35.89,43.57 arc(35.09,43.77) 34.28,43.85 arc(33.46,43.84) 32.64,43.72 arc(31.85,43.5) 31.1,43.18 arc(30.39,42.77) 29.73,42.27 29.42,42 arc(29.13,41.71) 28.88,41.39 28.62,41.02 28.44,40.76 arc(28.29,40.46) 28.22,40.14 28.16,39.47 arc(28.17,39.14) 28.27,38.83 28.55,38.2 arc(28.66,37.91) 28.73,37.6 28.84,36.97 arc(28.87,36.66) 28.87,36.34 28.79,35.39 28.42,31.11 28.37,30.5 arc(28.33,30.31) 28.25,30.13 28.14,29.96 arc(27.89,29.65) 27.58,29.41 arc(27.22,29.25) 26.83,29.18 26.63,29.17 arc(26.44,29.18) 26.25,29.24 v1(25.38,29.62)